# KiCad board s100_ColorMagic-1.1-003.kicad_pcb (continued)
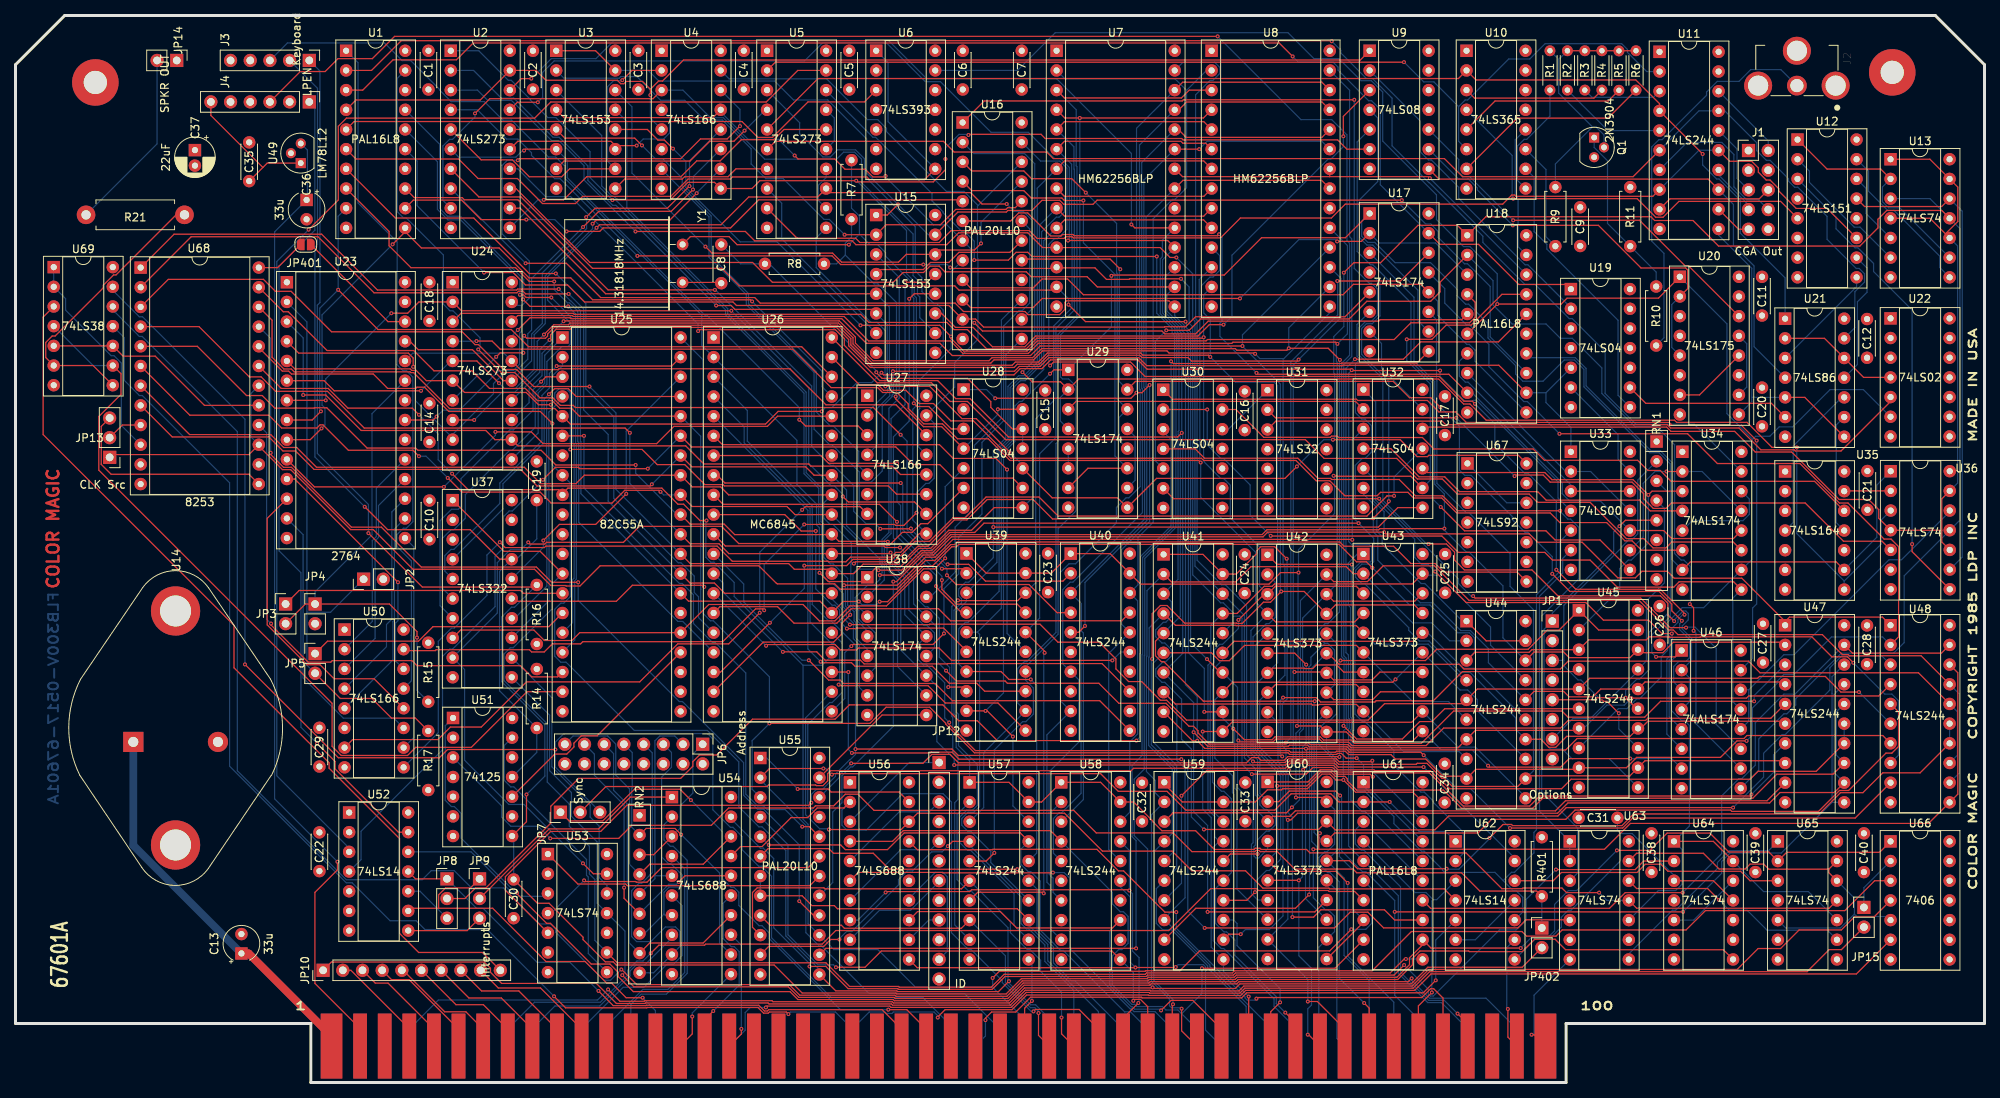
[diagram p0: board, top side]
## Routing (per net, layer and track width the routed paths; a pad name or vN(x,y) marks a point on that pad's centre or on a via; arc(x,y) is an arc through that point) (continued)
  Copper w0.152: U43.12 186.1,43.29 188.33,43.29 194.8,36.81 U44.11 ; v1(159.08,11.09) 155.82,14.35 U59.11 154.24,17.47 154.24,34.2 153.15,35.29 v1(153.15,45.29)
DO5: length 99.1
  Component w0.152: U41.13 157,51.66 177.65,51.66 v1(178.02,52.03) ; v1(163.13,10.35) 161.93,9.14 P1.39
  Copper w0.152: 157.13,20.97 157.58,20.53 157.58,17.67 163.13,12.12 v1(163.13,10.35) ; 157.13,20.97 157.13,37.25 156.98,37.4 156.98,39.6 154.71,41.87 154.71,49.37 U41.13 ; 157.13,20.97 U59.13 ; v1(178.02,52.03) U43.15 186.36,50.65 187.34,50.65 188.57,49.42 188.57,47.99 194.8,41.76
DO6: length 102.6
  Component w0.152: 165.1,4.7 165.1,7.72 v1(163.8,9.02) ; U43.16 180.39,56.94 157.2,56.94 U41.15
  Copper w0.152: U44.15 188.19,53.45 186.76,53.45 182.17,58.05 U43.16 ; U41.15 155.72,54.55 154.42,53.25 154.42,38.73 155.56,37.59 155.88,37.59 156.84,36.63 156.84,27.07 U59.15 154.81,25.04 154.81,20.52 155.9,19.44 156.24,19.44 157.29,18.38 157.29,16.41 162.64,11.07 162.64,10.19 v1(163.8,9.02)
DO7: length 110.9
  Component w0.152: U41.17 157.58,60.53 161.08,64.04 162.11,64.04 162.41,64.34 180.18,64.34 U43.19
  Copper w0.152: U43.19 181.68,65.48 183.58,65.48 190.28,58.78 190.28,56.44 194.8,51.92 ; U41.17 154.19,59 154.19,54.22 153.82,53.85 153.82,35.21 154.71,34.33 154.71,31.71 155.29,31.13 ; 155.29,31.13 U59.17 ; 155.29,31.13 154.53,30.36 154.53,18.3 155.54,17.29 155.86,17.29 162.36,10.79 162.36,9.82 165.1,7.08 165.1,7.08 165.1,4.7
DOTCLK: length 258.4
  Component w0.152: U50.7 43.49,44.26 54.49,44.26 56.1,45.87 60.08,45.87 65.91,51.71 80.52,51.71 85.43,56.61 92,56.61 v1(96.01,60.62) ; v1(101.48,73.91) 101.89,74.32 108.95,74.32 U27.7 ; v1(113.19,91.79) 128.87,91.79 129.49,92.41 132.18,92.41 133.31,93.54 144.89,93.54 145.93,92.51 171.15,92.51 171.21,92.57 191.35,92.57 194.9,89.02
  Copper w0.152: v1(96.01,60.62) 96.01,68.44 v1(101.48,73.91) ; 197.43,89.02 197.43,87.75 200.65,84.54 U33.1 ; 197.43,89.02 194.9,89.02 ; 197.43,89.02 U19.5 ; v1(113.19,91.79) 113.25,91.73 113.25,88.89 113.08,88.72 113.08,88.53 111.81,87.25 111.81,78.91 110.36,77.46 108.84,77.46 ; 108.84,77.46 108.84,78.8 105.36,82.28 105.05,82.28 103.02,84.31 103.02,91.64 94.28,100.38 94.28,101.69 89.46,106.5 89.46,111.73 83.35,117.84 U4.7 ; 108.84,77.46 108.84,74.43 U27.7
DOTD0: length 31.6
  Component w0.152: v1(49.34,64.56) 36.02,77.88 U23.11
  Copper w0.152: U50.14 49.02,54.42 49.02,59.28 49.34,59.6 v1(49.34,64.56)
DOTD1: length 39.4
  Component w0.152: U50.12 46.26,52.1 41.09,52.1 39.28,53.92 37.61,53.92 32.47,59.06 32.47,72.81 U23.12
DOTD2: length 37.1
  Copper w0.152: U50.11 48.8,47.03 42.29,47.03 37.1,52.22 37.1,70.7 U23.13
DOTD3: length 28.1
  Copper w0.152: U50.10 51.38,44.53 51.38,57.17 51.33,57.23 51.33,57.61 51.38,57.66 51.38,69.12 U23.15
DOTD4: length 27.7
  Copper w0.152: U23.16 48.88,71.43 48.88,59.68 48.69,59.49 48.69,54.53 U50.5
DOTD5: length 27.7
  Copper w0.152: U50.4 47.85,56.24 47.85,59.11 48.54,59.8 48.54,73.64 U23.17
DOTD6: length 27.7
  Copper w0.152: U23.18 46.83,74.47 46.83,70.34 46.39,69.9 46.39,57.32 U50.3
DOTD7: length 27.7
  Copper w0.152: U50.2 46.02,59.49 46.02,69.94 46.55,70.46 46.55,76.72 U23.19
ENABLE_BLINK: length 179.6
  Component w0.152: v1(164.76,132.42) 163.02,134.16 59.05,134.16 56.87,131.98 48.7,131.98 44.79,128.07 U1.3 ; U17.15 183.75,108.17 188.74,108.17 193.92,102.99 200.05,102.99 U19.1
  Copper w0.152: U17.15 176.06,115.86 176.06,125.58 174.93,126.71 174.55,126.71 170.6,130.66 170.6,131.04 169.97,131.67 165.5,131.67 v1(164.76,132.42)
FB1: length 32
  Component w0.152: U33.3 U33.12
  Copper w0.152: U33.3 200.65,77.12 187.38,90.39 187.03,90.39 186.25,91.16 186.25,93.07 187.28,94.1
FB2: length 28.4
  Copper w0.152: U18.8 199.99,78.86 U33.2 203.19,78.86 U33.11
G: length 168
  Component w0.152: U11.6 208.67,116.9 186.66,116.9 184.32,119.24 133.87,119.24 133.03,120.09 121.08,120.09 119.71,121.46 98.03,121.46 97.02,120.45 U5.6
  Copper w0.152: U11.6 217.16,125.4 U11.17 220.5,125.4 224.62,121.28 224.62,120.27 225.87,119.01 226.35,119.01 228.72,116.64 228.72,116.34 229.51,115.55 229.92,115.55 233.69,111.78 233.69,108.82 237.46,105.06 237.85,105.06 238.52,104.39 238.52,103.3 237.28,102.06 237.28,97.42 U21.13
G_OUT: length 6.7
  Copper w0.152: J1.7 223.56,113.26 219.7,117.12 U11.14
GA0: length 70.7
  Component w0.152: v1(106.19,51.35) 106.32,51.22 117.72,51.22 119.95,48.98 126.74,48.98 U39.11
  Copper w0.152: v1(106.19,51.35) 106.33,51.49 106.33,55.91 105.58,56.66 105.26,56.66 102.5,59.42 102.5,74.05 94,82.55 94,84.6 U26.4
GA1: length 65.4
  Component w0.152: U39.13 125.02,50.5 124,51.52 120.46,51.52 118.26,53.72 108.3,53.72 107.84,54.18 104,54.18 v1(103.86,54.31)
  Copper w0.152: U26.5 102.22,73.84 102.22,55.96 v1(103.86,54.31)
GA2: length 64.2
  Component w0.152: v1(127.91,79.11) 126.47,80.54 120.97,80.54 119.19,82.32 91.2,82.32 U26.6
  Copper w0.152: v1(127.91,79.11) 127.91,57.97 U39.15
GA3: length 54.8
  Component w0.152: v1(119.5,64.84) 119.5,63.64 121.42,61.73 129.23,61.73 U39.17 ; v1(113.71,79.91) 104.88,79.91 103.88,80.92 U26.7
  Copper w0.152: v1(119.5,64.84) 119.5,65.34 114.17,70.67 114.17,74.48 113.71,74.94 v1(113.71,79.91)
GA4: length 41.2
  Component w0.152: v1(114.19,77.37) 91.52,77.37 90.51,78.38 U26.8 ; U39.2 122.11,66.3 v1(119.51,66.3)
  Copper w0.152: v1(114.19,77.37) 114.45,77.11 114.45,71.36 v1(119.51,66.3)
GA5: length 40.9
  Component w0.152: U26.9 91.28,74.62 111.45,74.62 v1(113.71,72.36) ; v1(118.76,64.07) 118.76,63.93 122.02,60.66 U39.4
  Copper w0.152: v1(113.71,72.36) 113.71,70.48 118.76,65.44 v1(118.76,64.07)
GA6: length 45.3
  Component w0.152: v1(103.24,71.17) 101.36,71.17 99.23,73.3 U26.10 ; U39.6 122.68,55.7 119.73,58.64 108.48,58.64 108.42,58.58 v1(107.25,58.58)
  Copper w0.152: v1(107.25,58.58) 106.31,59.52 106.31,61.01 105.72,61.6 105.35,61.6 103.24,63.71 v1(103.24,71.17)
GA7: length 48.3
  Component w0.152: v1(114.1,69.05) 112.22,69.05 112.03,69.24 91.57,69.24 91.2,69.62 U26.11 ; U39.8 122.14,51.03 v1(120.32,51.03)
  Copper w0.152: v1(114.1,69.05) 116.28,66.87 116.28,62.46 117.34,61.39 117.68,61.39 119.17,59.9 119.17,54.9 120.5,53.57 120.5,51.21 v1(120.32,51.03)
GA8: length 64.5
  Component w0.152: v1(102.33,54.5) 104.89,51.94 106.36,51.94 106.8,51.5 118.64,51.5 120.86,49.28 139.86,49.28 U40.11
  Copper w0.152: U26.12 93.94,64.34 93.94,62.02 101.47,54.5 v1(102.33,54.5)
GA9: length 60.7
  Component w0.152: v1(98.99,55.58) 103.36,55.58 104.44,54.5 109,54.5 109.48,54.02 120.21,54.02 120.25,54.07 140.15,54.07 U40.13
  Copper w0.152: v1(98.99,55.58) 91.31,63.26 91.31,64.42 U26.13
GA10: length 58.1
  Component w0.152: v1(96.83,56.36) 96.99,56.52 105.72,56.52 106.41,55.82 108.5,55.82 108.75,56.07 119.14,56.07 120.74,54.47 v1(141.49,54.47)
  Copper w0.152: U26.14 v1(96.83,56.36) ; U40.15 142.57,55.56 v1(141.49,54.47)
GA11: length 56.8
  Component w0.152: U40.17 142.7,59.59 120.62,59.59 119.06,61.15 107.82,61.15 105.95,59.28 100.43,59.28 98.31,61.41 90.87,61.41 U26.15
GA12: length 87.6
  Component w0.152: v1(69.7,104.4) 66.28,104.4 59.12,111.56 49,111.56 U1.7
  Copper w0.152: v1(69.7,104.4) 73.57,100.53 73.57,89.52 77.18,85.91 77.18,75.39 85.49,67.07 85.84,67.07 87.56,65.36 87.56,63.25 88.11,62.69 88.11,60 U26.16
GA13: length 89.8
  Component w0.152: v1(69.5,103.38) 66.28,103.38 64.51,105.16 51.02,105.16 48.19,107.98 48.19,109.84 U1.8
  Copper w0.152: v1(69.5,103.38) 69.5,102.32 71.2,100.62 71.49,100.62 72.53,99.58 72.53,82.71 72.65,82.58 72.65,72.3 85.45,59.51 86.07,59.51 U26.17
GRPH: length 139.2
  Component w0.152: U17.5 171.51,98.82 152.23,98.82 150.94,97.54 148.26,97.54 148.21,97.49 124.88,97.49 123.84,98.53 122.22,98.53 U16.11 120.4,100.28 93.01,100.28 92.55,100.74 73.41,100.74 71.22,102.92 65.8,102.92 64.19,104.53 v1(60.44,104.53)
  Copper w0.152: v1(60.44,104.53) 51.81,113.17 51.81,118.92 U1.15
HCLK: length 219.5
  Component w0.152: U43.11 180.2,44.04 172.85,44.04 171.65,45.25 U42.11 168.35,46.02 v1(165.31,46.02) ; U18.17 191.75,101.72 187.77,97.74 184.55,97.74 182.72,95.91 v1(179.47,95.91) ; v1(208.31,41.8) 200.42,41.8 199.32,40.7 190.14,40.7 v1(189.96,40.88) ; 169.15,15.93 173.9,20.69 U61.8 ; v1(170.04,78.3) 170.1,78.24 179.99,78.24 U32.9 ; U39.1 125.22,65.74 U39.19 133.61,65.74 U40.1 141.21,68.25 U40.19 145.14,64.32 161.7,64.32 163.19,65.81 v1(165.51,65.81)
  Copper w0.152: U61.8 172.48,22.39 172.48,27.47 170.78,29.17 170.78,36.46 170.39,36.85 170.39,37.23 170.44,37.28 170.44,41.71 169.12,43.02 U42.11 ; v1(179.47,95.91) 179.47,93.19 182.51,90.15 182.51,77.74 U32.9 ; v1(165.31,46.02) 165.45,46.16 165.45,65.75 v1(165.51,65.81) 165.51,68.77 170.16,73.41 170.16,78.18 v1(170.04,78.3) ; U43.11 183.85,42.99 187.85,42.99 v1(189.96,40.88) ; v1(208.31,41.8) 213.65,41.8 U46.7
HDGRAPHIC: length 83.8
  Component w0.152: U17.12 181.28,103.01 172.59,103.01 171.25,101.67 137.75,101.67 135.72,103.7 132.42,103.7 131.28,102.56 123.2,102.56 U16.9
  Copper w0.152: U18.11 188.29,93.09 188.29,94.52 187.53,95.27 187.21,95.27 183.47,99 183.47,100.82 U17.12
HI_ADDR: length 105.7
  Component w0.152: v1(179.37,15.94) 179.14,15.94 177.34,14.14 157.37,14.14 157.09,13.86 146.03,13.86 145.85,13.68 127.65,13.68 125.98,12.02 113.9,12.02 113.8,12.11 107.41,12.11 104.54,14.98 v1(102.43,14.98)
  Copper w0.152: v1(179.37,15.94) 181.47,15.94 U61.11 ; U54.19 92.3,34.03 96.08,30.25 96.46,30.25 97.81,28.9 97.81,19.97 102.43,15.35 v1(102.43,14.98)
HRES: length 71.9
  Component w0.152: U16.10 123.21,100.01 131.27,100.01 132.45,101.19 v1(157.96,101.19) ; U17.2 173.62,108.55 v1(170.49,108.55)
  Copper w0.152: U17.2 175.95,108.35 183.19,108.35 U18.3 ; v1(157.96,101.19) 165.56,108.79 170.26,108.79 v1(170.49,108.55)
HSYNC: length 120.4
  Component w0.152: U34.6 209.75,68.7 208.54,69.91 207.61,69.91 205.26,72.26 199.22,72.26 197.98,73.51 185.91,73.51 183.98,75.43 180.35,75.43 179.62,76.16 176.09,76.16 175.65,75.72 171.48,75.72 169.54,77.66 167.79,77.66 165.17,80.28 153.27,80.28 152.98,80.56 128.4,80.56 123.58,85.39 120.66,85.39 118.42,87.62 116.56,87.62 114.86,89.33 111.97,89.33 111.28,90.02 108.9,90.02 U26.39
HSYNC_OUT: length 40.4
  Component w0.152: U21.8 230.82,88.42 U21.5
  Copper w0.152: 223.98,88.42 U21.5 ; 223.98,88.42 223.98,87.86 U20.9 ; 223.98,88.42 223.98,105.08 219.7,109.36 U11.11
I: length 128.9
  Component w0.152: v1(179.11,131.69) 179.1,131.68 98.01,131.68 U5.2
  Copper w0.152: 186.16,125.95 186.16,121.48 U10.6 ; 186.16,125.95 187.01,126.81 187.33,126.81 192.62,132.09 195.34,132.09 197.32,134.07 207.19,134.07 207.94,133.33 207.94,132.96 210.42,130.47 U11.2 ; 186.16,125.95 182.96,129.14 181.66,129.14 v1(179.11,131.69)
I_OUT: length 10.3
  Copper w0.152: U11.18 226.1,121.53 J1.2
IDSELECT: length 21.5
  Component w0.152: v1(100.9,37.88) 104.82,37.88 105.22,37.49 113.98,37.49 115.27,36.2
  Copper w0.152: v1(100.9,37.88) 96.9,41.88 U55.1
KBD_CLK: length 301.7
  Component w0.152: U64.2 210.04,28.58 208.94,27.48 v1(198.72,27.48) ; R16.1 66.97,63.94 52.48,63.94 v1(45.53,70.9) ; C30.1 67.34,23.13 68.83,23.13 73.21,18.75 73.21,18.44 76.09,15.57 77.09,15.57 77.5,15.17 97.86,15.17 101.48,11.55 113.57,11.55 113.69,11.43 127.79,11.43 129.76,13.4 145.97,13.4 146.15,13.58 157.21,13.58 157.49,13.86 177.82,13.86 v1(179.13,15.16) ; U51.8 65.92,33.66 v1(65.92,37.17)
  Copper w0.152: v1(198.72,27.48) 194.87,23.63 194.87,20.97 193.58,19.69 191.43,19.69 182.9,11.16 182.52,11.16 182.25,11.43 182.25,12.04 v1(179.13,15.16) ; U51.8 64.26,31.6 C30.1 ; R16.1 64.37,61.34 63.99,61.34 62.72,60.08 62.72,51.73 68.28,46.17 68.28,39.54 v1(65.92,37.17) ; v1(45.53,70.9) 45.53,74.6 38.94,81.19 38.94,100.32 39.27,100.66 39.27,130.53 J3.1
KBD_DATA: length 125
  Component w0.152: v1(45.05,74.3) 48.01,71.34 58.65,71.34 62.46,67.53 U37.17
  Copper w0.152: U51.11 67.25,42.61 R14.1 62.44,50.55 62.44,65.96 U37.17 64.63,67.53 67.25,70.15 C19.1 ; 35.36,131.91 38.96,128.31 38.96,108.16 38.62,107.83 38.62,80.73 v1(45.05,74.3)
LATCH_CLK: length 110.6
  Component w0.152: v1(127.86,113.38) 124.68,113.38 123.21,114.85 105.09,114.85 U5.13 103.48,114.28 94.59,114.28 91,110.7 75.35,110.7 v1(74.96,110.31)
  Copper w0.152: U16.14 131.15,99.85 131.15,111.27 130.01,112.42 128.83,112.42 v1(127.86,113.38) ; U24.11 67.42,83.83 67.42,89 68.55,90.13 68.55,93.05 70.49,94.98 71.28,94.98 71.57,95.27 71.57,98.04 68.64,100.96 68.64,103.99 v1(74.96,110.31)
LC1: length 5.9
  Copper w0.152: U5.14 104.57,116.8 103.56,115.79 103.56,113.84 U5.12
LC2: length 6
  Copper w0.152: U5.15 105.63,121.51 105.63,124.48 U5.17
LCLK: length 181.4
  Component w0.152: v1(229.78,81.96) 226.6,81.96 223.36,85.19 214.28,85.19 214.01,85.47 189.72,85.47 187.63,87.57 186.81,87.57 183.59,90.79 137.16,90.79 135.8,89.43 134.8,90.43 131.13,90.43 v1(129.89,91.67)
  Copper w0.152: U29.4 134.78,85.37 134.78,88.41 135.8,89.43 ; 235.9,64.72 229.78,70.84 v1(229.78,81.96) ; 235.9,64.72 U35.8 ; 235.9,64.72 240.67,69.49 240.67,72.59 U36.3 ; v1(129.89,91.67) 131.48,93.26 131.48,118.58 130.17,119.89 123.65,119.89 U16.2
LPENSTR: length 222
  Component w0.152: U53.5 63.2,24.8 63.2,26.57 69.03,32.4 75.49,32.4 78.85,35.77 102.32,35.77 v1(102.66,36.11) ; v1(163.41,42.08) 163.28,42.21 121.62,42.21 120.8,43.03 v1(108.36,43.03) ; v1(163.51,49.67) 167.79,49.67 168.36,49.11 175.36,49.11 175.52,49.27 182.89,49.27 186.65,53.03 201.39,53.03 U45.4
  Copper w0.152: v1(102.66,36.11) 102.66,37.18 103.28,37.81 104.07,37.81 105.77,39.51 105.77,39.81 107.61,41.65 107.67,41.65 108.36,42.34 v1(108.36,43.03) 108.36,56.44 105.2,59.59 104.88,59.59 102.78,61.7 102.78,74.4 94.4,82.78 94.4,86.73 U26.3 ; v1(163.51,49.67) 163.14,49.3 163.14,42.35 v1(163.41,42.08)
MA0: length 106.4
  Component w0.152: U8.10 153.27,111.33 135.33,111.33 U7.10 ; U39.9 125.13,47.96 v1(125.13,47.96) 125.35,47.96 v1(128.66,44.64)
  Copper w0.152: U57.18 128.66,35.7 v1(128.66,44.64) ; v1(125.13,47.96) 127.45,50.28 127.45,81.29 128.91,82.75 128.91,87.31 129.5,87.9 129.82,87.9 130.93,89 130.93,90.32 132.64,92.04 132.64,108.64 U7.10
MA1: length 119.8
  Component w0.152: U7.9 135.33,111.81 153.27,111.81 U8.9 ; v1(130.97,52.01) 128.16,52.01 127.13,53.04 U39.7
  Copper w0.152: U7.9 132.08,110.62 132.08,92.81 130.2,90.93 129.57,90.93 128.3,89.67 128.3,82.94 126.89,81.52 126.89,63.39 122.88,59.39 122.52,59.39 121.67,58.54 121.67,54.05 U39.7 ; U57.16 131.73,29.61 131.73,51.26 v1(130.97,52.01)
MA2: length 125.1
  Component w0.152: U8.8 153.29,114.37 135.31,114.37 U7.8
  Copper w0.152: U57.14 125.81,28.39 125.81,29.82 123.24,32.39 122.89,32.39 122.07,33.21 122.07,34.07 122.88,34.89 123.63,34.89 124.37,35.62 124.37,57.84 124.09,58.12 ; 124.09,58.12 127.17,61.2 127.17,81.4 128.59,82.82 128.59,89.54 129.62,90.58 130.24,90.58 132.36,92.7 132.36,109.78 134.27,111.68 134.64,111.68 135.34,112.38 135.34,114.34 U7.8 ; 124.09,58.12 U39.5
MA3: length 132.6
  Component w0.152: U7.7 135.32,118.94 153.28,118.94 U8.7
  Copper w0.152: U7.7 131.8,115.42 131.8,92.93 130.08,91.21 129.4,91.21 128.02,89.83 128.02,83.06 126.6,81.64 126.6,67.13 U39.3 122.68,62.08 121.35,60.75 121.35,47.82 121.65,47.52 121.65,43.47 124.09,41.03 124.09,35.76 123.49,35.17 122.72,35.17 121.77,34.21 121.77,31.01 122.83,29.95 123.23,29.95 128.81,24.37 128.81,20.31 130.7,18.42
MA4: length 136
  Component w0.152: U8.6 153.53,121.22 150.59,121.22 150.34,121.47 135.31,121.47 U7.6 ; U39.18 129.29,62.19 121.61,62.19 v1(121.57,62.23)
  Copper w0.152: 123.08,18.42 121.16,20.34 121.16,36.11 121.56,36.51 121.56,42.07 120.9,42.72 120.9,47.13 120.79,47.25 120.79,61.44 v1(121.57,62.23) ; U7.6 136.24,118.52 136.24,108.85 136.3,108.79 136.3,100 133.92,97.63 133.92,87.99 131.6,85.67 131.6,64.5 U39.18
MA5: length 134.1
  Component w0.152: v1(132.75,55.46) 132.75,55.66 U39.16 ; U7.5 135.31,124 153.29,124 U8.5 ; U57.7 124.13,24.55 132.51,24.55 v1(132.64,24.42)
  Copper w0.152: v1(132.75,55.46) 132.64,55.34 v1(132.64,24.42) ; U39.16 132.11,59.94 132.11,81.14 134.21,83.24 134.21,97.32 136.59,99.7 136.59,117.85 136.54,117.89 136.54,120.76 U7.5
MA6: length 127.1
  Component w0.152: v1(126.27,29.63) 125.21,28.58 U57.5 ; U8.4 153.24,124.48 v1(137.3,124.48) 135.36,124.48 U7.4
  Copper w0.152: v1(137.3,124.48) 137.3,98.97 134.79,96.47 134.79,91.07 135.06,90.8 135.86,90.8 136.81,89.85 136.81,73.78 134.5,71.46 134.5,57.85 130.3,53.65 U39.14 130.3,51.92 131.31,50.91 131.31,47.55 130.33,46.57 129.91,46.57 126.27,42.93 v1(126.27,29.63)
MA7: length 123.1
  Component w0.152: U7.3 135.31,127.07 150.4,127.07 151.41,128.07 U8.3
  Copper w0.152: U57.3 124.89,35.47 124.89,42.56 U39.12 129.27,48.98 129.27,53.45 130.14,54.31 130.45,54.31 134.21,58.07 134.21,82.45 134.49,82.73 134.49,96.57 136.92,99 136.92,118.22 136.83,118.31 136.83,125.55 U7.3
MA8: length 137.4
  Component w0.152: U7.25 150.07,125.53 151.07,126.54 168.53,126.54 U8.25
  Copper w0.152: U7.25 145,120.99 145,89.48 145.08,89.39 145.08,76.92 143.62,75.46 143.26,75.46 142.02,74.22 142.02,72.23 136.74,66.94 135.89,66.94 134.79,65.84 134.79,49.27 U40.9 133.05,44.86 133.05,25.85 133.5,25.4 133.5,19.82 134.9,18.42
MA9: length 129.7
  Component w0.152: U7.24 150.01,123 151.03,121.97 168.52,121.97 U8.24
  Copper w0.152: U7.24 145.28,118.73 145.28,89.6 145.36,89.51 145.36,73.53 136.41,64.57 136.05,64.57 135.1,63.62 135.1,54.04 U40.7 137.16,51.98 137.16,43.92 133.33,40.09 133.33,26.9 133.85,26.38 133.85,24.55 U58.7
MA10: length 116.5
  Component w0.152: v1(137.96,58.92) 137.14,58.09 U40.5 ; U8.21 168.48,116.43 150.6,116.43 U7.21
  Copper w0.152: U7.21 145.84,111.68 145.84,89.83 145.93,89.74 145.93,72.51 137.96,64.54 v1(137.96,58.92) ; U58.5 133.89,29.59 133.89,34.08 134.62,34.8 134.94,34.8 137.46,37.32 137.46,56.76 U40.5
MA11: length 115.1
  Component w0.152: U7.23 v1(152.69,120.45)
  Copper w0.152: v1(152.69,120.45) 153.71,121.47 168.53,121.47 U8.23 ; U7.23 145.56,116.48 145.56,89.71 145.65,89.63 145.65,72.7 U40.3 137.5,61.8 137.5,58.27 137.76,58.02 137.76,36.52 U58.3
MA12: length 121.1
  Copper w0.152: 151.07,128.04 153.64,130.62 U8.2 ; 151.07,128.04 149.58,129.53 135.39,129.53 U7.2 ; 151.07,128.04 151.07,115.47 149.57,113.98 149.26,113.98 146.76,111.48 146.76,72.3 144.8,70.34 144.8,64.23 U40.18 144.75,62.17 144.75,44.98 143.74,43.97 143.74,34.88 U58.18
MA13: length 152.2
  Component w0.152: U7.26 150.56,129.09 168.52,129.09 U8.26 ; v1(126.39,88.3) 143.89,88.3 v1(144.61,89.03) 145.31,89.03 v1(146.3,90.02)
  Copper w0.152: v1(126.39,88.3) 125.26,89.43 U28.1 ; v1(144.61,89.03) 144.61,123.15 U7.26 ; v1(146.3,90.02) 146.3,72.4 142.69,68.78 142.69,59.15 U40.16 141.02,55.37 141.02,30.08 U58.16
MDO0: length 196.7
  Component w0.152: U24.3 57.46,99.27 71.95,99.27 72.08,99.14 109.04,99.14 110.09,98.09 120.14,98.09 121.06,97.17 122.79,97.17 125.29,94.67 130.37,94.67 131.75,96.05 153.15,96.05 v1(153.27,96.18) ; v1(157.76,59.7) 161.08,63.03 U42.3 162.53,64.05 172.96,64.05 U43.3
  Copper w0.152: U42.3 160.48,64.05 160.48,69.11 156.71,72.88 156.71,77.08 155.83,77.97 155.47,77.97 153.34,80.09 153.34,80.21 153.27,80.28 v1(153.27,96.18) 153.27,98.77 152.98,99.07 152.98,102.83 154.09,103.95 154.47,103.95 155.34,104.82 155.34,106.71 U8.11 ; v1(157.76,59.7) 157.76,58.6 155.71,56.55 155.35,56.55 154.64,55.85 154.64,54.28 154.12,53.75 154.12,35.37 U59.18
MDO1: length 205
  Component w0.152: v1(59.47,95.69) 61.48,95.69 62.52,94.64 100.26,94.64 105.22,89.68 111.22,89.68 111.85,89.05 113.7,89.05 115.17,87.58 115.17,87 117.16,85 119.59,85 121.51,83.08 125.48,83.08 128.29,80.28 152.62,80.28 v1(152.88,80.02) ; U42.4 162.54,59.45 172.75,59.45 U43.4 ; U59.16 156.72,29.49 v1(160.23,29.49)
  Copper w0.152: U24.4 59.44,95.66 v1(59.47,95.69) ; v1(160.23,29.49) 160.23,31.33 161.34,32.44 161.71,32.44 162.53,33.26 162.53,34.13 161.41,35.24 161.11,35.24 160.52,35.84 160.52,36.92 160.23,37.2 160.23,41.65 159.37,42.51 159.37,58.35 U42.4 159.98,62.01 159.98,68.42 152.88,75.52 v1(152.88,80.02) 152.78,80.12 152.78,98.82 152.7,98.91 152.7,103.61 U8.12
MDO2: length 213.9
  Component w0.152: U59.14 158.84,23.51 v1(159.89,24.57) ; v1(62.01,93.65) 62.52,94.17 v1(65.51,94.17) ; U42.7 162.12,53.48 166.25,53.48 166.3,53.42 167.34,53.42 167.81,53.89 170.41,53.89 171.34,52.97 U43.7 ; v1(65.62,96.37) 65.94,96.06 68.37,96.06 68.64,96.32 68.64,96.59 69.55,97.5 71.44,97.5 71.66,97.73 106.03,97.73 107.76,96 107.76,95.2 110.4,92.56 128.56,92.56 128.98,92.98 131.94,92.98 133.11,94.14 145.15,94.14 145.43,93.86 153.9,93.86 v1(154.12,93.64)
  Copper w0.152: v1(65.51,94.17) 65.51,96.26 v1(65.62,96.37) ; U8.13 153.28,101.65 153.28,99.31 154.12,98.46 v1(154.12,93.64) 157.37,90.4 162.36,90.4 162.81,89.95 162.81,54.17 U42.7 160.22,51.58 160.22,43 162.95,40.27 162.95,39.8 163.21,39.54 163.21,28.83 161.74,27.36 161.37,27.36 159.89,25.88 v1(159.89,24.57) ; U24.7 v1(62.01,93.65)
MDO3: length 224.2
  Component w0.152: U59.12 156.53,19.14 v1(158.06,19.14) ; v1(68.17,96.53) 69.43,97.78 71.32,97.78 71.55,98.01 106.15,98.01 108.04,96.12 108.04,95.32 110.51,92.84 125.81,92.84 126.22,93.26 131.32,93.26 132.48,94.42 148.53,94.42 148.81,94.14 159.81,94.14 v1(159.91,94.04) ; U42.8 162.53,51.35 172.95,51.35 U43.8 ; U24.8 v1(59.16,85.5)
  Copper w0.152: 163.52,93.43 160.53,93.43 v1(159.91,94.04) ; 163.52,93.43 163.62,93.43 169.54,99.34 U8.15 ; 163.52,93.43 163.52,66.87 163.75,66.64 163.75,52.57 U42.8 160.5,49.32 160.5,43.26 163.23,40.53 163.23,39.92 163.51,39.64 163.51,21.5 161.75,19.74 158.66,19.74 v1(158.06,19.14) ; v1(68.17,96.53) 67.3,95.65 67.3,91.97 64.42,89.09 62.75,89.09 v1(59.16,85.5)
MDO4: length 243.2
  Component w0.152: U43.13 176.08,50.43 175.07,49.41 170.04,49.41 U42.13 ; U59.9 152.26,22.49 165.11,22.49 v1(166.88,24.25) ; v1(170.85,93.25) 169.34,94.76 v1(164.25,94.76) 164,94.51 157.55,94.51 157.36,94.7 132.36,94.7 131.2,93.54 125.97,93.54 125.58,93.15 110.62,93.15 108.35,95.42 108.35,96.21 106.26,98.3 70.75,98.3 v1(70.7,98.24)
  Copper w0.152: U42.13 170.15,51.35 170.15,55.81 169.28,56.67 168.9,56.67 ; U8.16 164.25,97.39 v1(164.25,94.76) ; v1(170.85,93.25) 170.78,93.19 170.78,60.71 169.29,59.22 168.92,59.22 168.12,58.41 168.12,57.45 168.9,56.67 ; 168.9,56.67 167.11,54.89 167.11,53.89 166.84,53.62 166.84,43.36 166.93,43.27 166.93,24.31 v1(166.88,24.25) ; v1(70.7,98.24) 69.36,96.9 69.36,95.54 67.92,94.1 67.92,91.21 66.26,89.55 66.26,87.74 U24.13
MDO5: length 226.5
  Component w0.152: v1(165.52,93.29) 165.34,93.11 151.71,93.11 151.25,93.56 145.32,93.56 145.02,93.86 133.22,93.86 132.06,92.7 129.23,92.7 128.81,92.28 110.28,92.28 107.48,95.08 107.48,95.88 105.91,97.45 71.78,97.45 71.55,97.22 69.74,97.22 69.02,96.5 69.02,95.97 v1(68.89,95.84) ; v1(164.25,40.34) 164.18,40.27 153.68,40.27 v1(150.41,37.01) ; U43.14 176.01,52.97 175,51.96 170.03,51.96 U42.14 169.01,52.98 v1(164.99,52.98)
  Copper w0.152: 164.83,52.98 164.83,92.6 v1(165.52,93.29) 170.97,98.74 170.97,103.78 U8.17 ; 164.83,52.98 v1(164.99,52.98) ; 164.83,52.98 164.83,40.92 v1(164.25,40.34) ; v1(150.41,37.01) 150.41,25.72 U59.7 ; v1(68.89,95.84) 67.63,94.58 67.63,91.66 U24.14
MDO6: length 223.4
  Component w0.152: v1(64.8,97.12) 66.38,98.7 71.52,98.7 71.65,98.58 106.58,98.58 109.75,95.4 119.25,95.4 120.83,93.82 130.94,93.82 132.17,95.05 v1(158.28,95.05) ; U43.17 180.45,61.64 170.28,61.64 U42.17 166.24,63.37 v1(163.28,63.37) 161.9,61.99 160.98,61.99 158.24,59.24 157.57,59.24 157.52,59.28 150.82,59.28 148.55,61.56 147.69,61.56 146.64,60.5 v1(146.64,54.66)
  Copper w0.152: v1(64.8,97.12) 64.02,96.34 U24.17 ; U59.5 149.52,29.91 149.52,40.59 146.52,43.59 146.52,54.55 v1(146.64,54.66) ; v1(163.28,63.37) 163.16,63.49 163.16,90.14 158.28,95.03 v1(158.28,95.05) 158.28,96.49 U8.18
MDO7: length 218.8
  Component w0.152: U43.18 180.49,62.12 170.03,62.12 U42.18 ; U59.3 149.34,34.81 163.95,34.81 v1(164.66,35.51) ; U24.18 64.8,98.98 71.83,98.98 71.96,98.86 106.89,98.86 110.04,95.71 120.61,95.71 122.21,94.11 130.65,94.11 131.94,95.39 156.9,95.39 157.05,95.54 170.31,95.54 v1(170.53,95.33)
  Copper w0.152: U8.19 171.81,108.02 171.81,96.62 v1(170.53,95.33) 170.39,95.19 170.39,93.06 170.5,92.95 170.5,64.4 U42.18 166.04,59.94 166.04,53.74 166.14,53.64 166.14,45.64 165.63,45.14 165.63,36.49 v1(164.66,35.51)
MDO8: length 251.4
  Component w0.152: U47.9 225.94,36.36 199.94,36.36 198.64,35.06 165.1,35.06 164.39,34.35 162.16,34.35 161.53,33.71 ; v1(149.75,106.47) 148.94,106.47 147.66,107.75 U7.11 132.49,107.75 130.58,109.66 121.66,109.66 120.13,108.13 108.42,108.13 107.91,108.63 95.35,108.63 94.15,109.83 v1(79.98,109.83)
  Copper w0.152: U2.3 59.59,128.07 60.92,126.75 63.98,126.75 69.16,121.56 70.11,121.56 73.34,118.33 73.34,116.48 v1(79.98,109.83) ; v1(149.75,106.47) 151.85,104.37 151.85,98.56 152.14,98.27 152.14,66.65 U41.18 158.52,60.27 158.52,41.9 159.95,40.48 159.95,37.08 160.23,36.8 160.23,35 161.53,33.71
MDO9: length 264.9
  Component w0.152: v1(117.11,105.56) 106.45,105.56 105.33,106.68 v1(80.22,106.68) ; 134.3,105.14 134.22,105.06 120.7,105.06 v1(120.58,105.18) ; 134.3,105.14 139.24,105.14 140.73,103.65 143.66,103.65 143.73,103.72 v1(150.35,103.72) ; 134.3,105.14 U7.12 ; v1(159.49,39.79) 159.49,39.8 166.5,39.8 167.35,40.65 169.91,40.65 170.49,40.07 175.12,40.07 175.22,39.96 182.37,39.96 183.75,38.59 183.85,38.59 186.76,35.67 195.33,35.67 196.63,36.97 223.74,36.97 v1(223.93,37.16)
  Copper w0.152: v1(223.93,37.16) 226.78,40.01 226.78,42.28 U47.7 ; v1(150.35,103.72) 151.4,102.68 151.4,97.99 151.86,97.52 151.86,65.51 155.47,61.9 155.81,61.9 157.06,60.65 157.06,60.19 ; v1(120.58,105.18) 120.2,105.56 v1(117.11,105.56) ; 157.06,60.19 157.94,60.19 158.22,59.92 158.22,41.06 v1(159.49,39.79) 159.66,39.62 159.66,36.56 159.95,36.27 159.95,30.65 159.76,30.46 159.76,29.23 160,28.98 160.37,28.98 161.53,30.13 U60.4 ; 157.06,60.19 157.06,59.34 U41.16 ; v1(80.22,106.68) 70.26,116.64 69.57,116.64 66.56,119.65 66.56,120 64.8,121.76 63.35,121.76 59.57,125.53 U2.4
